# Altium PCB CM_PCB.PcbDoc (part 4 of 7) (continued)
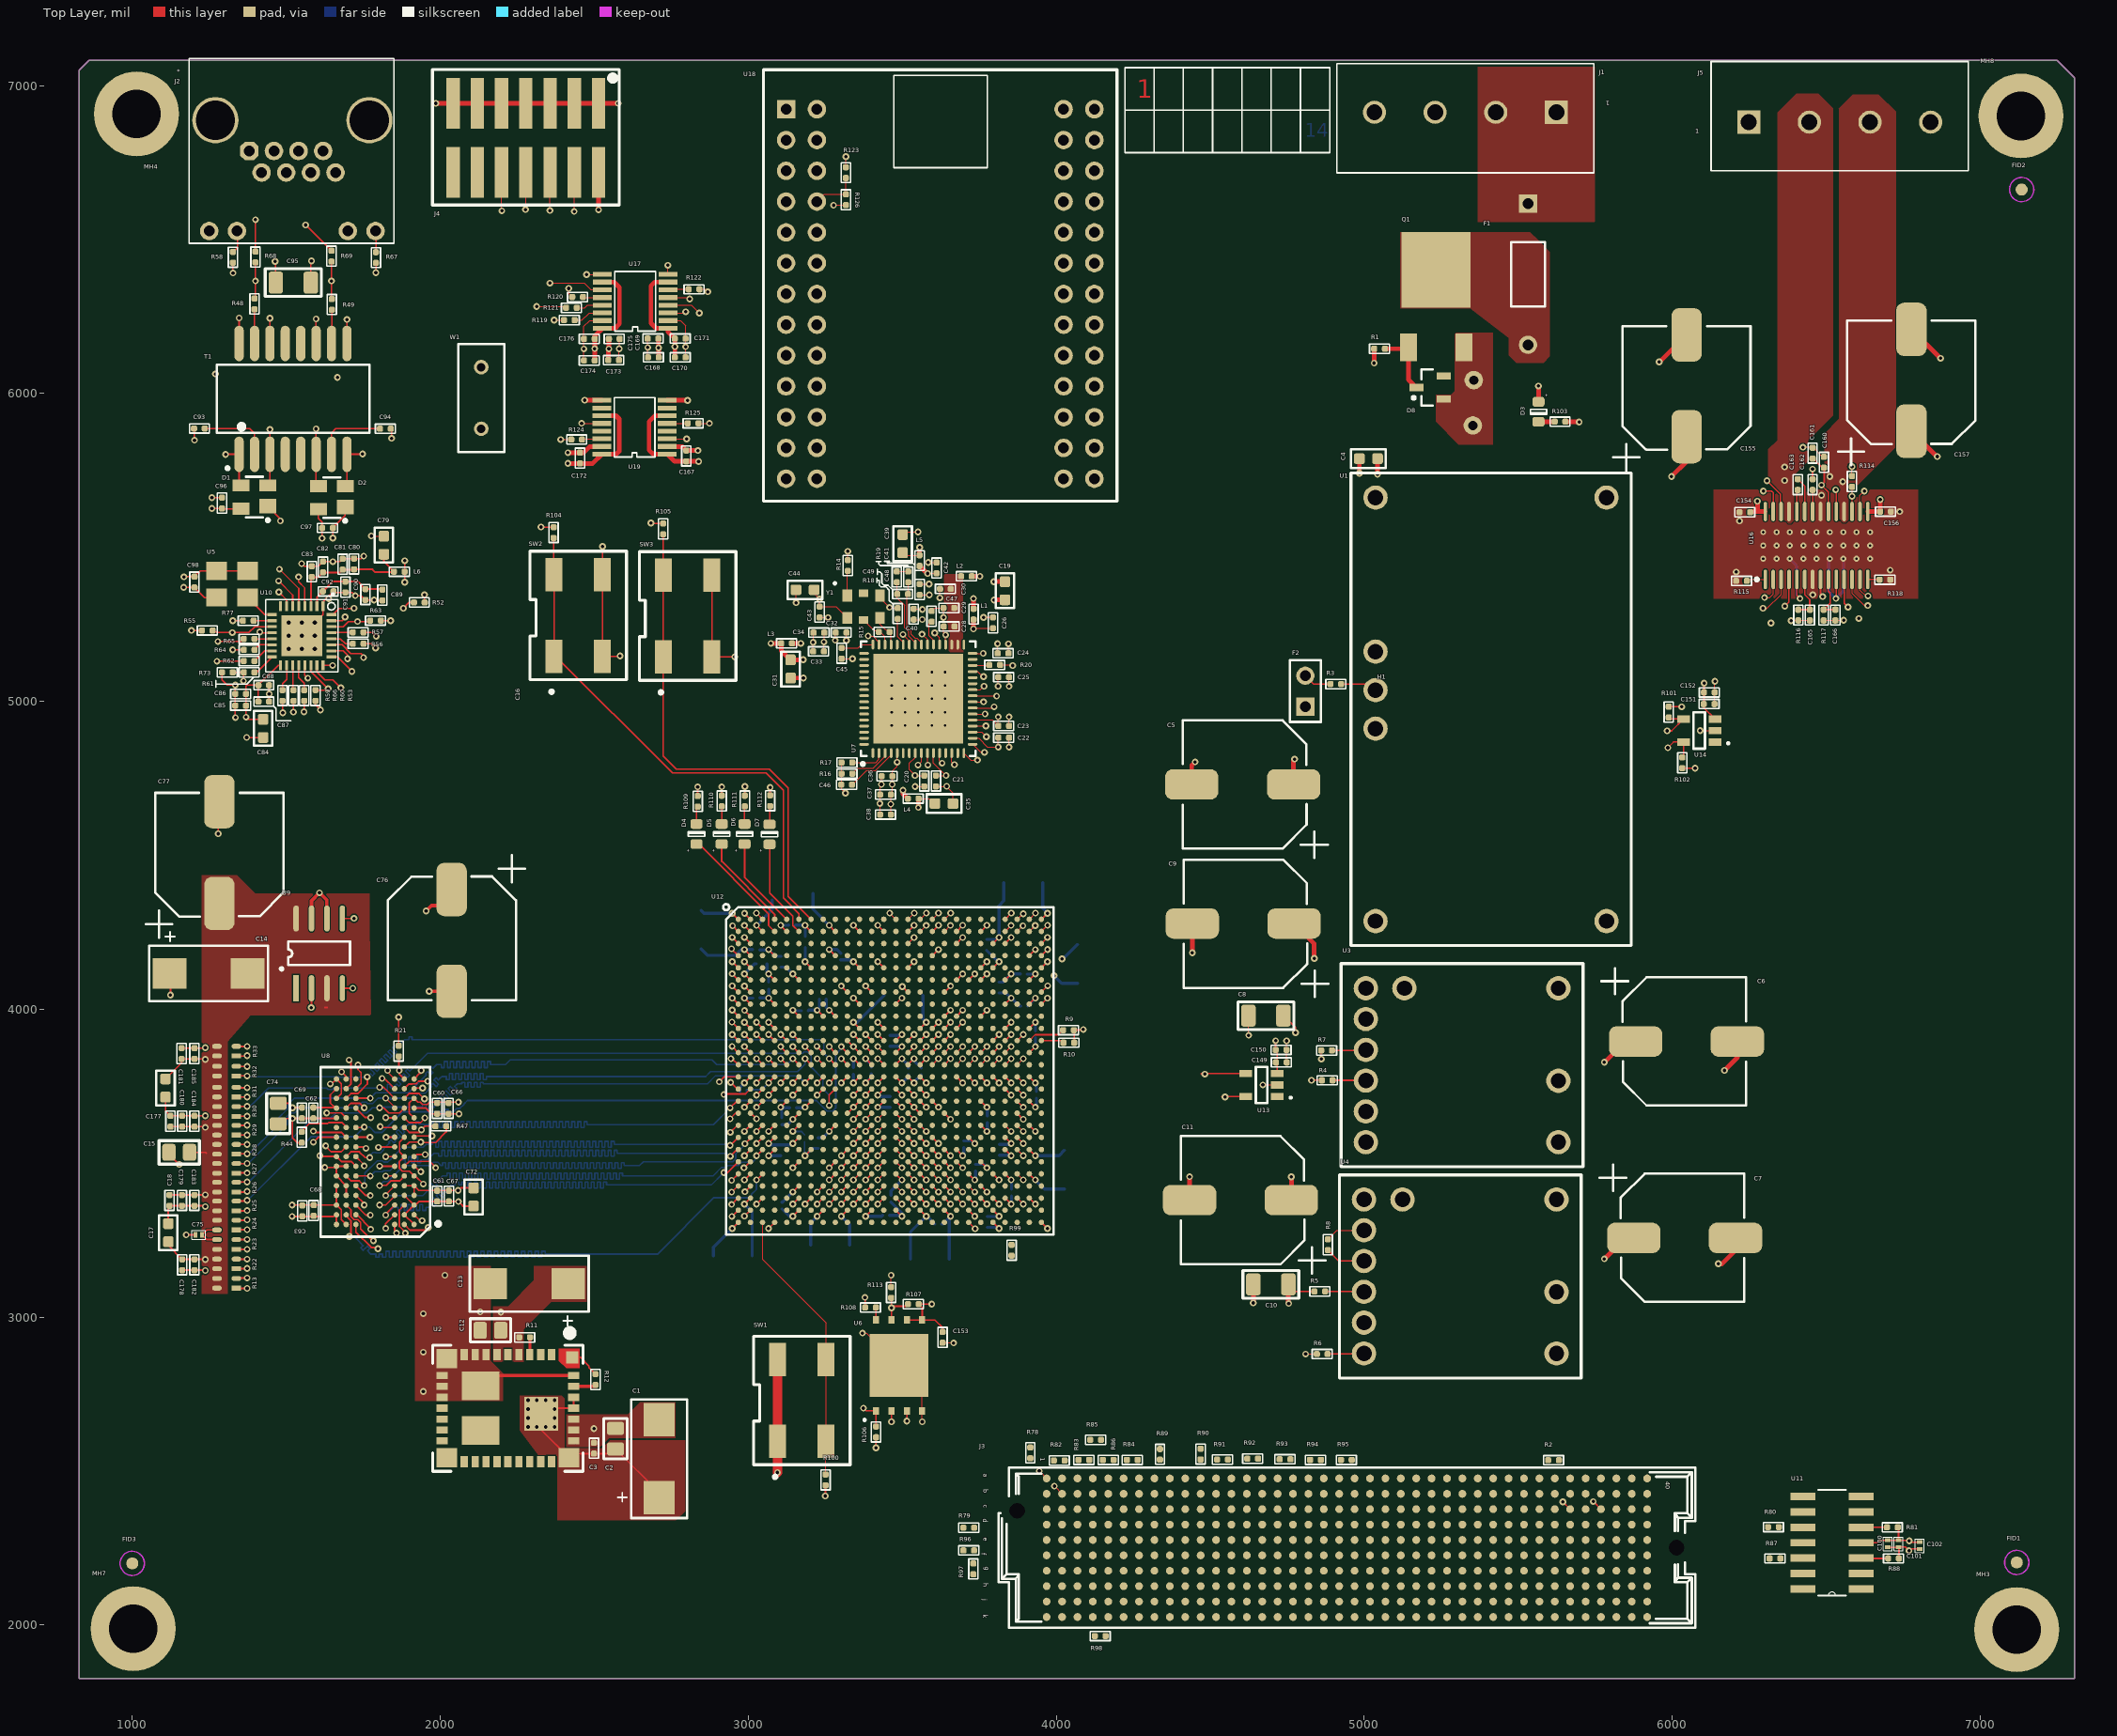
[diagram p0: Top Layer view]
## Nets (pads, with @x,y where several pads share a name; then routed paths per layer and width w, separated by ;. In a path a pad name is that pad's centre, name@x,y a point inside that pad or via, vN(x,y) a via of type N, cw(c..) or ccw(c..) an arc to the next point about the centre after c; other vN are vias at no path point) (continued)
DDR_DQ13: U8.A2 U12.AD1 | length 2540.8
  Top Layer w5.5: U8.A2@1883.49,3300.78 1902.27,3282 1952,3282 v2(1961,3291) ; v2(2946,3366) 2966.41,3386.41 U12.AD1@2967.82,3386.41
  HS2 w5.5: v2(1961,3291) 1975,3305 1980.5,3305 1991.5,3305 1991.5,3295.24 2002.5,3295.24 2002.5,3305 2002.5,3314.76 2013.5,3314.76 2013.5,3305 2013.5,3295.24 2024.5,3295.24 2024.5,3305 2024.5,3314.76 2035.5,3314.76 2035.5,3305 2035.5,3295.24 2046.5,3295.24 2046.5,3305 2046.5,3314.76 2057.5,3314.76 2057.5,3305 2057.5,3295.24 2068.5,3295.24 2068.5,3305 2068.5,3314.76 2079.5,3314.76 2079.5,3305 2079.5,3295.24 2090.5,3295.24 2090.5,3305 2090.5,3314.76 2101.5,3314.76 2101.5,3305 2101.5,3295.24 2112.5,3295.24 2112.5,3305 2112.5,3314.76 2123.5,3314.76 2123.5,3305 2123.5,3295.24 2134.5,3295.24 2134.5,3305 2134.5,3314.76 2145.5,3314.76 2145.5,3305 2145.5,3295.24 2156.5,3295.24 2156.5,3305 2156.5,3314.76 2167.5,3314.76 2167.5,3305 2167.5,3295.24 2178.5,3295.24 2178.5,3305 2178.5,3314.76 2189.5,3314.76 2189.5,3305 2189.5,3295.24 2200.5,3295.24 2200.5,3305 2200.5,3314.76 2211.5,3314.76 2211.5,3305 2211.5,3295.24 2222.5,3295.24 2222.5,3305 2222.5,3314.76 2233.5,3314.76 2233.5,3305 2233.5,3295.24 2244.5,3295.24 2244.5,3305 2244.5,3314.76 2255.5,3314.76 2255.5,3305 2255.5,3295.24 2266.5,3295.24 2266.5,3305 2266.5,3314.76 2277.5,3314.76 2277.5,3305 2277.5,3295.24 2288.5,3295.24 2288.5,3305 2288.5,3314.76 2299.5,3314.76 2299.5,3305 2299.5,3295.24 2310.5,3295.24 2310.5,3305 2310.5,3314.76 2321.5,3314.76 2321.5,3305 2321.5,3295.24 2332.5,3295.24 2332.5,3305 2332.5,3314.76 2343.5,3314.76 2343.5,3305 2343.5,3295.24 2354.5,3295.24 2354.5,3305 2354.5,3314.76 2365.5,3314.76 2365.5,3305 2365.5,3295.24 2376.5,3295.24 2376.5,3305 2376.5,3314.76 2387.5,3314.76 2387.5,3305 2387.5,3295.24 2398.5,3295.24 2398.5,3305 2398.5,3314.76 2409.5,3314.76 2409.5,3305 2409.5,3295.24 2420.5,3295.24 2420.5,3305 2420.5,3314.76 2431.5,3314.76 2431.5,3305 2431.5,3295.24 2442.5,3295.24 2442.5,3305 2442.5,3314.76 2453.5,3314.76 2453.5,3305 2453.5,3295.24 2464.5,3295.24 2464.5,3305 2464.5,3314.76 2475.5,3314.76 2475.5,3305 2475.5,3295.24 2486.5,3295.24 2486.5,3305 2486.5,3314.76 2497.5,3314.76 2497.5,3305 2497.5,3295.24 2508.5,3295.24 2508.5,3305 2508.5,3314.76 2519.5,3314.76 2519.5,3305 2519.5,3295.24 2530.5,3295.24 2530.5,3305 2530.5,3314.76 2541.5,3314.76 2541.5,3305 2541.5,3295.24 2552.5,3295.24 2552.5,3305 2552.5,3314.76 2563.5,3314.76 2563.5,3305 2563.5,3295.24 2574.5,3295.24 2574.5,3305 2574.5,3314.76 2585.5,3314.76 2585.5,3305 2585.5,3295.24 2596.5,3295.24 2596.5,3305 2596.5,3314.76 2607.5,3314.76 2607.5,3305 2607.5,3295.24 2618.5,3295.24 2618.5,3305 2618.5,3314.76 2629.5,3314.76 2629.5,3305 2629.5,3295.24 2640.5,3295.24 2640.5,3305 2640.5,3314.76 2651.5,3314.76 2651.5,3305 2651.5,3295.24 2662.5,3295.24 2662.5,3305 2662.5,3314.76 2673.5,3314.76 2673.5,3305 2673.5,3295.24 2684.5,3295.24 2684.5,3305 2684.5,3314.76 2695.5,3314.76 2695.5,3305 2695.5,3295.24 2706.5,3295.24 2706.5,3305 2706.5,3314.76 2717.5,3314.76 2717.5,3305 2717.5,3295.24 2728.5,3295.24 2728.5,3305 2728.5,3314.76 2739.5,3314.76 2739.5,3305 2739.5,3295.24 2750.5,3295.24 2750.5,3305 2750.5,3314.76 2761.5,3314.76 2761.5,3305 2761.5,3295.24 2772.5,3295.24 2772.5,3305 2772.5,3314.76 2783.5,3314.76 2783.5,3305 2885,3305 v2(2946,3366)
DDR_DQ14: U8.B8 U12.AB3 | length 2568.9
  Top Layer w4: v1(3026.87,3445.46) U12.AB3@3046.56,3465.15
  Top Layer w5.5: U8.B8@1694.51,3332.28 1694.51,3328.26 1710.4,3312.38 1710.12,3312.1 1710.12,3267.12 v2(1705,3262)
  Bottom Layer w5.5: v2(1705,3262) 1721.9,3262 1738.19,3244 1741.88,3239.92 1749.26,3231.76 1742.05,3225.25 1749.43,3217.09 1756.64,3223.61 1763.84,3230.12 1771.22,3221.97 1764.02,3215.45 1771.4,3207.29 1774.15,3204.25 1779.65,3204.25 1790.65,3204.25 1790.65,3194.54 1801.65,3194.54 1801.65,3204.25 1812.65,3204.25 1812.65,3194.54 1823.65,3194.54 1823.65,3204.25 1823.65,3213.96 1834.65,3213.96 1834.65,3204.25 1834.65,3194.54 1845.65,3194.54 1845.65,3204.25 1845.65,3213.96 1856.65,3213.96 1856.65,3204.25 1856.65,3194.54 1867.65,3194.54 1867.65,3204.25 1867.65,3213.96 1878.65,3213.96 1878.65,3204.25 1878.65,3194.54 1889.65,3194.54 1889.65,3204.25 1889.65,3213.96 1900.65,3213.96 1900.65,3204.25 1900.65,3194.54 1911.65,3194.54 1911.65,3204.25 1911.65,3213.96 1922.65,3213.96 1922.65,3204.25 1922.65,3194.54 1933.65,3194.54 1933.65,3204.25 1933.65,3213.96 1944.65,3213.96 1944.65,3204.25 1944.65,3194.54 1955.65,3194.54 1955.65,3204.25 1955.65,3213.96 1966.65,3213.96 1966.65,3204.25 1966.65,3194.54 1977.65,3194.54 1977.65,3204.25 1977.65,3213.96 1988.65,3213.96 1988.65,3204.25 1988.65,3194.54 1999.65,3194.54 1999.65,3204.25 1999.65,3213.96 2010.65,3213.96 2010.65,3204.25 2010.65,3194.54 2021.65,3194.54 2021.65,3204.25 2021.65,3213.96 2032.65,3213.96 2032.65,3204.25 2032.65,3194.54 2043.65,3194.54 2043.65,3204.25 2043.65,3213.96 2054.65,3213.96 2054.65,3204.25 2054.65,3194.54 2065.65,3194.54 2065.65,3204.25 2065.65,3213.96 2076.65,3213.96 2076.65,3204.25 2076.65,3194.54 2087.65,3194.54 2087.65,3204.25 2087.65,3213.96 2098.65,3213.96 2098.65,3204.25 2098.65,3194.54 2109.65,3194.54 2109.65,3204.25 2109.65,3213.96 2120.65,3213.96 2120.65,3204.25 2120.65,3194.54 2131.65,3194.54 2131.65,3204.25 2131.65,3213.96 2142.65,3213.96 2142.65,3204.25 2142.65,3194.54 2153.65,3194.54 2153.65,3204.25 2153.65,3213.96 2164.65,3213.96 2164.65,3204.25 2164.65,3194.54 2175.65,3194.54 2175.65,3204.25 2175.65,3213.96 2186.65,3213.96 2186.65,3204.25 2186.65,3194.54 2197.65,3194.54 2197.65,3204.25 2197.65,3213.96 2208.65,3213.96 2208.65,3204.25 2208.65,3194.54 2219.65,3194.54 2219.65,3204.25 2219.65,3213.96 2230.65,3213.96 2230.65,3204.25 2230.65,3194.54 2241.65,3194.54 2241.65,3204.25 2241.65,3213.96 2252.65,3213.96 2252.65,3204.25 2252.65,3194.54 2263.65,3194.54 2263.65,3204.25 2263.65,3213.96 2274.65,3213.96 2274.65,3204.25 2274.65,3194.54 2285.65,3194.54 2285.65,3204.25 2285.65,3213.96 2296.65,3213.96 2296.65,3204.25 2296.65,3194.54 2307.65,3194.54 2307.65,3204.25 2307.65,3213.96 2318.65,3213.96 2318.65,3204.25 2318.65,3194.54 2329.65,3194.54 2329.65,3204.25 2329.65,3213.96 2340.65,3213.96 2340.65,3204.25 2353,3204.25 2705.25,3204.25 2889,3388 3010.53,3388 3010.53,3398.78 3026.87,3415.13 v1(3026.87,3445.46)
DDR_DQ15: U8.A3 U12.AB1 | length 2540.4
  Top Layer w5.5: U8.A3@1851.99,3300.78 1851.99,3279.01 v2(1858,3273) ; v2(2946,3444) 2946.67,3444 U12.AB1@2967.82,3465.15
  HS2 w5: v2(1858,3273) 1862.42,3273 1869.71,3280.29 1873.24,3283.83 1866.45,3290.62 1873.53,3297.69 1880.32,3290.9 1887.39,3297.97 1880.6,3304.76 1887.67,3311.83 1894.46,3305.04 1901.25,3298.25 1908.32,3305.32 1901.53,3312.11 1894.74,3318.9 1901.81,3325.97 1908.6,3319.18 1915.39,3312.39 1922.46,3319.46 1915.67,3326.25 1908.88,3333.04 1915.95,3340.11 1922.74,3333.32 1929.81,3340.4 1933.92,3344.5 1938.92,3344.5 1948.92,3344.5 1948.92,3334.9 1958.92,3334.9 1958.92,3344.5 1958.92,3354.1 1968.92,3354.1 1968.92,3344.5 1968.92,3334.9 1978.92,3334.9 1978.92,3344.5 1978.92,3354.1 1988.92,3354.1 1988.92,3344.5 1988.92,3334.9 1998.92,3334.9 1998.92,3344.5 1998.92,3354.1 2008.92,3354.1 2008.92,3344.5 2008.92,3334.9 2018.92,3334.9 2018.92,3344.5 2018.92,3354.1 2028.92,3354.1 2028.92,3344.5 2028.92,3334.9 2038.92,3334.9 2038.92,3344.5 2038.92,3354.1 2048.92,3354.1 2048.92,3344.5 2048.92,3334.9 2058.92,3334.9 2058.92,3344.5 2058.92,3354.1 2068.92,3354.1 2068.92,3344.5 2068.92,3334.9 2078.92,3334.9 2078.92,3344.5 2078.92,3354.1 2088.92,3354.1 2088.92,3344.5 2088.92,3334.9 2098.92,3334.9 2098.92,3344.5 2098.92,3354.1 2108.92,3354.1 2108.92,3344.5 2108.92,3334.9 2118.92,3334.9 2118.92,3344.5 2118.92,3354.1 2128.92,3354.1 2128.92,3344.5 2128.92,3334.9 2138.92,3334.9 2138.92,3344.5 2138.92,3354.1 2148.92,3354.1 2148.92,3344.5 2148.92,3334.9 2158.92,3334.9 2158.92,3344.5 2158.92,3354.1 2168.92,3354.1 2168.92,3344.5 2168.92,3334.9 2178.92,3334.9 2178.92,3344.5 2178.92,3354.1 2188.92,3354.1 2188.92,3344.5 2188.92,3334.9 2198.92,3334.9 2198.92,3344.5 2198.92,3354.1 2208.92,3354.1 2208.92,3344.5 2208.92,3334.9 2218.92,3334.9 2218.92,3344.5 2218.92,3354.1 2228.92,3354.1 2228.92,3344.5 2228.92,3334.9 2238.92,3334.9 2238.92,3344.5 2238.92,3354.1 2248.92,3354.1 2248.92,3344.5 2248.92,3334.9 2258.92,3334.9 2258.92,3344.5 2258.92,3354.1 2268.92,3354.1 2268.92,3344.5 2268.92,3334.9 2278.92,3334.9 2278.92,3344.5 2278.92,3354.1 2288.92,3354.1 2288.92,3344.5 2288.92,3334.9 2298.92,3334.9 2298.92,3344.5 2298.92,3354.1 2308.92,3354.1 2308.92,3344.5 2308.92,3334.9 2318.92,3334.9 2318.92,3344.5 2318.92,3354.1 2328.92,3354.1 2328.92,3344.5 2328.92,3334.9 2338.92,3334.9 2338.92,3344.5 2338.92,3354.1 2348.92,3354.1 2348.92,3344.5 2348.92,3334.9 2358.92,3334.9 2358.92,3344.5 2358.92,3354.1 2368.92,3354.1 2368.92,3344.5 2368.92,3334.9 2378.92,3334.9 2378.92,3344.5 2378.92,3354.1 2388.92,3354.1 2388.92,3344.5 2388.92,3334.9 2398.92,3334.9 2398.92,3344.5 2398.92,3354.1 2408.92,3354.1 2408.92,3344.5 2408.92,3334.9 2418.92,3334.9 2418.92,3344.5 2418.92,3354.1 2428.92,3354.1 2428.92,3344.5 2428.92,3334.9 2438.92,3334.9 2438.92,3344.5 2438.92,3354.1 2448.92,3354.1 2448.92,3344.5 2448.92,3334.9 2458.92,3334.9 2458.92,3344.5 2458.92,3354.1 2468.92,3354.1 2468.92,3344.5 2468.92,3334.9 2478.92,3334.9 2478.92,3344.5 2478.92,3354.1 2488.92,3354.1 2488.92,3344.5 2511,3344.5 2848.5,3344.5 2888.22,3384.22 2993.22,3384.22 3007,3398 3006.5,3398.5 3006.5,3451.22 2994.75,3462.96 2980.25,3462.96 2961.29,3444 v2(2946,3444)
DDR_LDM: R13.2 U8.E7 U12.W3 | length 2443.9
  Top Layer w4: v1(3026.87,3563.57) U12.W3@3046.56,3583.26
  Top Layer w5.5: R13.2@1342.5,3127 v2(1373,3127) ; U8.E7@1726.01,3426.76 1757.77,3395 v2(1773,3395)
  HS2 w5.5: v2(1373,3127) 1401,3127 1669,3395 v2(1773,3395) 1785.25,3407.25 1785.25,3436.25 1796,3447 1796,3457.9 1813.85,3475.75 1900.75,3475.75 1914.75,3489.75 1955.15,3489.75 1989.4,3524 1994.9,3524 2005.9,3524 2005.9,3514 2016.9,3514 2016.9,3524 2016.9,3531.57 2027.9,3531.57 2027.9,3524 2027.9,3514 2038.9,3514 2038.9,3524 2038.9,3531.57 2049.9,3531.57 2049.9,3524 2049.9,3514 2060.9,3514 2060.9,3524 2060.9,3531.57 2071.9,3531.57 2071.9,3524 2071.9,3514 2082.9,3514 2082.9,3524 2082.9,3531.57 2093.9,3531.57 2093.9,3524 2093.9,3514 2104.9,3514 2104.9,3524 2104.9,3531.57 2115.9,3531.57 2115.9,3524 2115.9,3514 2126.9,3514 2126.9,3524 2126.9,3531.57 2137.9,3531.57 2137.9,3524 2137.9,3514 2148.9,3514 2148.9,3524 2148.9,3531.57 2159.9,3531.57 2159.9,3524 2159.9,3514 2170.9,3514 2170.9,3524 2170.9,3534 2181.9,3534 2181.9,3524 2181.9,3514 2192.9,3514 2192.9,3524 2192.9,3534 2203.9,3534 2203.9,3524 2203.9,3514 2214.9,3514 2214.9,3524 2214.9,3534 2225.9,3534 2225.9,3524 2225.9,3514 2236.9,3514 2236.9,3524 2236.9,3534 2247.9,3534 2247.9,3524 2247.9,3514 2258.9,3514 2258.9,3524 2258.9,3534 2269.9,3534 2269.9,3524 2269.9,3514 2280.9,3514 2280.9,3524 2314,3524 2908,3524 2925.95,3541.95 2931.94,3541.95 2933.65,3540.25 2948.35,3540.25 2950.06,3541.95 3005.25,3541.95 v1(3026.87,3563.57)
DDR_LDQS_N: U8.G3 U12.V1 | length 1268.8
  Top Layer w5.5: v2(1803,3490) 1803.24,3489.76 U8.G3@1851.99,3489.76 ; v2(2942,3600) 2964.63,3622.63 U12.V1@2967.82,3622.63
  HS1 w5.5: v2(1803,3490) 1964.9,3490 1981.9,3507 2765,3507 2858,3600 v2(2942,3600)
DDR_LDQS_P: U8.F3 U12.V3 | length 1320.6
  Top Layer w4: v1(3026.87,3602.94) U12.V3@3046.56,3622.63
  Top Layer w5.5: v2@1830,3458.26 U8.F3@1851.99,3458.26
  HS1 w5.5: v2(1823,3458) 1826.75,3454.25 2776.25,3454.25 2902.75,3580.75 2927.66,3580.75 2932.16,3576.25 2951.84,3576.25 2956.34,3580.75 3004.68,3580.75 v1(3026.87,3602.94)
DDR_ODT: R23.1 U8.K1 U12.P6 | length 2613.4
  Top Layer w4: v1(3144.98,3760.42) U12.P6@3164.67,3780.11
  Top Layer w5.5: U8.K1@1914.98,3584.24 1914.98,3588 v2(1973,3588)
  Top Layer w6: R23.1@1342,3220 v2(1373,3220)
  DIFF_SE1 w6: v2(1373,3220) 1399,3220 1501,3322 1501,3334.46 1511.54,3345 1524,3345 1525,3346 1526.46,3346 1537,3356.54 1537,3358 1600.65,3421.65 1600.65,3489 1600.9,3489 1620.65,3508.75 1645.65,3508.75 1734.9,3598 1759.46,3598 1764.21,3602.75 1780.35,3602.75 1783.85,3599.25 1812.15,3599.25 1815.65,3602.75 1908.25,3602.75 1923,3588 v2(1973,3588) 1977.9,3588 1982.14,3592.24 1990.63,3600.73 1997.7,3593.66 2006.18,3602.14 1999.11,3609.21 1992.04,3616.28 2000.53,3624.77 2007.6,3617.7 2014.67,3610.63 2023.15,3619.11 2016.08,3626.18 2009.01,3633.25 2017.5,3641.74 2024.57,3634.67 2033.05,3643.15 2038.25,3648.35 2038.25,3667.35 2049.15,3678.25 2068.25,3678.25 2072.49,3682.49 2080.98,3690.98 2088.05,3683.91 2096.53,3692.39 2089.46,3699.46 2082.39,3706.53 2090.88,3715.02 2097.95,3707.95 2105.02,3700.88 2113.5,3709.36 2106.43,3716.43 2114.92,3724.92 2120,3730 2126,3730 2138,3730 2138,3740 2150,3740 2150,3730 2150,3720 2162,3720 2162,3730 2162,3740 2174,3740 2174,3730 2174,3720 2186,3720 2186,3730 2186,3740 2198,3740 2198,3730 2198,3720 2210,3720 2210,3730 2210,3740 2222,3740 2222,3730 2222,3720 2234,3720 2234,3730 2234,3740 2246,3740 2246,3730 2246,3720 2258,3720 2258,3730 2258,3740 2270,3740 2270,3730 2270,3720 2282,3720 2282,3730 2282,3740 2294,3740 2294,3730 2294,3720 2306,3720 2306,3730 2310,3730 2894,3730 2905,3741 2928.46,3741 2928.71,3740.75 3130.21,3740.75 3144.98,3755.53 v1(3144.98,3760.42)
DDR_UDM: R13.1 U8.D3 U12.V4 | length 2676.6
  Top Layer w4: v1(3066.24,3602.94) U12.V4@3085.93,3622.63
  Top Layer w5.5: R13.1@1342,3093 v2(1373,3093) ; v2(1803,3364) 1823,3364 1851.99,3392.99 U8.D3@1851.99,3395.27 U8.D3@1846.27,3395.27
  HS1 w5.5: v2(1373,3093) 1400,3093 1650,3343 1759.9,3343 1765.65,3348.75 1787.75,3348.75 v2(1803,3364) 1808,3364 1813.5,3364 1824.5,3364 1824.5,3354.16 1835.5,3354.16 1835.5,3364 1835.5,3373.84 1846.5,3373.84 1846.5,3364 1846.5,3354.16 1857.5,3354.16 1857.5,3364 1857.5,3373.84 1868.5,3373.84 1868.5,3364 1868.5,3354.16 1879.5,3354.16 1879.5,3364 1879.5,3373.84 1890.5,3373.84 1890.5,3364 1890.5,3354.16 1901.5,3354.16 1901.5,3364 1901.5,3373.84 1912.5,3373.84 1912.5,3364 1912.5,3354.16 1923.5,3354.16 1923.5,3364 1923.5,3373.84 1934.5,3373.84 1934.5,3364 1934.5,3354.16 1945.5,3354.16 1945.5,3364 1945.5,3373.84 1956.5,3373.84 1956.5,3364 1956.5,3354.16 1967.5,3354.16 1967.5,3364 1967.5,3373.84 1978.5,3373.84 1978.5,3364 1978.5,3354.16 1989.5,3354.16 1989.5,3364 1989.5,3373.84 2000.5,3373.84 2000.5,3364 2011.5,3364 2012.5,3364 2016.39,3367.89 2024.17,3375.67 2031.13,3368.71 2038.91,3376.49 2031.95,3383.45 2039.72,3391.22 2041.25,3392.75 2046.75,3392.75 2057.75,3392.75 2068.75,3392.75 2068.75,3389.99 2079.75,3389.99 2079.75,3392.75 2079.75,3402.59 2090.75,3402.59 2090.75,3392.75 2090.75,3382.91 2101.75,3382.91 2101.75,3392.75 2101.75,3402.59 2112.75,3402.59 2112.75,3392.75 2112.75,3382.91 2123.75,3382.91 2123.75,3392.75 2123.75,3402.59 2134.75,3402.59 2134.75,3392.75 2134.75,3382.91 2145.75,3382.91 2145.75,3392.75 2145.75,3402.59 2156.75,3402.59 2156.75,3392.75 2156.75,3382.91 2167.75,3382.91 2167.75,3392.75 2167.75,3402.59 2178.75,3402.59 2178.75,3392.75 2178.75,3382.91 2189.75,3382.91 2189.75,3392.75 2252,3392.75 2934.15,3392.75 2938.65,3388.25 3003.25,3388.25 3083.99,3468.99 3083.99,3578.92 3066.24,3596.67 v1(3066.24,3602.94)
DDR_UDQS_N: U8.B7 U12.AC1 | length 2544.4
  Top Layer w5.5: U8.B7@1726.01,3331.99 U8.B7@1726.01,3332.28 1730.02,3332.28 1774,3288.3 v2(1774,3285) ; v2(2946,3406) 2965.78,3425.78 U12.AC1@2967.82,3425.78
  HS2 w5.5: v2(1774,3285) 1802.25,3313.25 1834.25,3313.25 1892,3371 1897.5,3371 1908.5,3371 1908.5,3363.06 1919.5,3363.06 1919.5,3371 1919.5,3378.94 1930.5,3378.94 1930.5,3371 1976,3371 2029.9,3371 2051.65,3392.75 2064.85,3392.75 2066.1,3394 2081,3394 2086.5,3394 2086.5,3403.76 2097.5,3403.76 2097.5,3394 2097.5,3384.24 2108.5,3384.24 2108.5,3394 2108.5,3403.76 2119.5,3403.76 2119.5,3394 2119.5,3384.24 2130.5,3384.24 2130.5,3394 2130.5,3403.76 2141.5,3403.76 2141.5,3394 2141.5,3384.24 2152.5,3384.24 2152.5,3394 2152.5,3403.76 2163.5,3403.76 2163.5,3394 2163.5,3384.24 2174.5,3384.24 2174.5,3394 2174.5,3403.76 2185.5,3403.76 2185.5,3394 2185.5,3384.24 2196.5,3384.24 2196.5,3394 2196.5,3403.76 2207.5,3403.76 2207.5,3394 2207.5,3384.24 2218.5,3384.24 2218.5,3394 2218.5,3403.76 2229.5,3403.76 2229.5,3394 2229.5,3384.24 2240.5,3384.24 2240.5,3394 2240.5,3403.76 2251.5,3403.76 2251.5,3394 2251.5,3384.24 2262.5,3384.24 2262.5,3394 2262.5,3403.76 2273.5,3403.76 2273.5,3394 2273.5,3384.24 2284.5,3384.24 2284.5,3394 2284.5,3403.76 2295.5,3403.76 2295.5,3394 2295.5,3384.24 2306.5,3384.24 2306.5,3394 2306.5,3403.76 2317.5,3403.76 2317.5,3394 2317.5,3384.24 2328.5,3384.24 2328.5,3394 2328.5,3403.76 2339.5,3403.76 2339.5,3394 2339.5,3384.24 2350.5,3384.24 2350.5,3394 2350.5,3403.76 2361.5,3403.76 2361.5,3394 2361.5,3384.24 2372.5,3384.24 2372.5,3394 2372.5,3403.76 2383.5,3403.76 2383.5,3394 2383.5,3384.24 2394.5,3384.24 2394.5,3394 2394.5,3403.76 2405.5,3403.76 2405.5,3394 2405.5,3384.24 2416.5,3384.24 2416.5,3394 2416.5,3403.76 2427.5,3403.76 2427.5,3394 2427.5,3384.24 2438.5,3384.24 2438.5,3394 2438.5,3403.76 2449.5,3403.76 2449.5,3394 2449.5,3384.24 2460.5,3384.24 2460.5,3394 2460.5,3403.76 2471.5,3403.76 2471.5,3394 2471.5,3384.24 2482.5,3384.24 2482.5,3394 2482.5,3403.76 2493.5,3403.76 2493.5,3394 2493.5,3384.24 2504.5,3384.24 2504.5,3394 2504.5,3403.76 2515.5,3403.76 2515.5,3394 2515.5,3384.24 2526.5,3384.24 2526.5,3394 2526.5,3403.76 2537.5,3403.76 2537.5,3394 2537.5,3384.24 2548.5,3384.24 2548.5,3394 2548.5,3403.76 2559.5,3403.76 2559.5,3394 2559.5,3384.24 2570.5,3384.24 2570.5,3394 2570.5,3403.76 2581.5,3403.76 2581.5,3394 2581.5,3384.24 2592.5,3384.24 2592.5,3394 2592.5,3403.76 2603.5,3403.76 2603.5,3394 2603.5,3384.24 2614.5,3384.24 2614.5,3394 2614.5,3403.76 2625.5,3403.76 2625.5,3394 2625.5,3384.24 2636.5,3384.24 2636.5,3394 2636.5,3403.76 2647.5,3403.76 2647.5,3394 2647.5,3384.24 2658.5,3384.24 2658.5,3394 2658.5,3403.76 2669.5,3403.76 2669.5,3394 2669.5,3384.24 2680.5,3384.24 2680.5,3394 2680.5,3403.76 2691.5,3403.76 2691.5,3394 2691.5,3384.24 2702.5,3384.24 2702.5,3394 2702.5,3403.76 2713.5,3403.76 2713.5,3394 2713.5,3384.24 2724.5,3384.24 2724.5,3394 2724.5,3403.76 2735.5,3403.76 2735.5,3394 2735.5,3384.24 2746.5,3384.24 2746.5,3394 2746.5,3403.76 2757.5,3403.76 2757.5,3394 2780,3394 2934,3394 v2(2946,3406)
DDR_UDQS_P: U8.C7 U12.AC2 | length 2543.4
  Top Layer w5.5: U8.C7@1726.24,3364 U8.C7@1726.01,3363.77 1758.78,3331 v2(1773,3331) ; v2(2989,3407) 3007.19,3425.19 U12.AC2@3007.19,3425.78
  HS2 w5.5: v2(1773,3331) 1788.25,3346.25 1813.15,3346.25 1815.65,3348.75 1826.75,3348.75 1884,3406 2027.9,3406 2050.65,3428.75 2065.35,3428.75 2070.1,3424 2078,3424 2083.5,3424 2083.5,3433.92 2094.5,3433.92 2094.5,3424 2094.5,3414.08 2105.5,3414.08 2105.5,3424 2105.5,3433.92 2116.5,3433.92 2116.5,3424 2116.5,3414.08 2127.5,3414.08 2127.5,3424 2127.5,3433.92 2138.5,3433.92 2138.5,3424 2138.5,3414.08 2149.5,3414.08 2149.5,3424 2149.5,3433.92 2160.5,3433.92 2160.5,3424 2160.5,3414.08 2171.5,3414.08 2171.5,3424 2171.5,3433.92 2182.5,3433.92 2182.5,3424 2182.5,3414.08 2193.5,3414.08 2193.5,3424 2193.5,3433.92 2204.5,3433.92 2204.5,3424 2204.5,3414.08 2215.5,3414.08 2215.5,3424 2215.5,3433.92 2226.5,3433.92 2226.5,3424 2226.5,3414.08 2237.5,3414.08 2237.5,3424 2237.5,3433.92 2248.5,3433.92 2248.5,3424 2248.5,3414.08 2259.5,3414.08 2259.5,3424 2259.5,3433.92 2270.5,3433.92 2270.5,3424 2270.5,3414.08 2281.5,3414.08 2281.5,3424 2281.5,3433.92 2292.5,3433.92 2292.5,3424 2292.5,3414.08 2303.5,3414.08 2303.5,3424 2303.5,3433.92 2314.5,3433.92 2314.5,3424 2314.5,3414.08 2325.5,3414.08 2325.5,3424 2325.5,3433.92 2336.5,3433.92 2336.5,3424 2336.5,3414.08 2347.5,3414.08 2347.5,3424 2347.5,3433.92 2358.5,3433.92 2358.5,3424 2358.5,3414.08 2369.5,3414.08 2369.5,3424 2369.5,3433.92 2380.5,3433.92 2380.5,3424 2380.5,3414.08 2391.5,3414.08 2391.5,3424 2391.5,3433.92 2402.5,3433.92 2402.5,3424 2402.5,3414.08 2413.5,3414.08 2413.5,3424 2413.5,3433.92 2424.5,3433.92 2424.5,3424 2424.5,3414.08 2435.5,3414.08 2435.5,3424 2435.5,3433.92 2446.5,3433.92 2446.5,3424 2446.5,3414.08 2457.5,3414.08 2457.5,3424 2457.5,3433.92 2468.5,3433.92 2468.5,3424 2468.5,3414.08 2479.5,3414.08 2479.5,3424 2479.5,3433.92 2490.5,3433.92 2490.5,3424 2490.5,3414.08 2501.5,3414.08 2501.5,3424 2501.5,3433.92 2512.5,3433.92 2512.5,3424 2512.5,3414.08 2523.5,3414.08 2523.5,3424 2523.5,3433.92 2534.5,3433.92 2534.5,3424 2534.5,3414.08 2545.5,3414.08 2545.5,3424 2545.5,3433.92 2556.5,3433.92 2556.5,3424 2556.5,3414.08 2567.5,3414.08 2567.5,3424 2567.5,3433.92 2578.5,3433.92 2578.5,3424 2578.5,3414.08 2589.5,3414.08 2589.5,3424 2589.5,3433.92 2600.5,3433.92 2600.5,3424 2600.5,3414.08 2611.5,3414.08 2611.5,3424 2611.5,3433.92 2622.5,3433.92 2622.5,3424 2622.5,3414.08 2633.5,3414.08 2633.5,3424 2633.5,3433.92 2644.5,3433.92 2644.5,3424 2644.5,3414.08 2655.5,3414.08 2655.5,3424 2655.5,3433.92 2666.5,3433.92 2666.5,3424 2666.5,3414.08 2677.5,3414.08 2677.5,3424 2677.5,3433.92 2688.5,3433.92 2688.5,3424 2688.5,3414.08 2699.5,3414.08 2699.5,3424 2699.5,3433.92 2710.5,3433.92 2710.5,3424 2710.5,3414.08 2721.5,3414.08 2721.5,3424 2721.5,3433.92 2732.5,3433.92 2732.5,3424 2732.5,3414.08 2743.5,3414.08 2743.5,3424 2753,3424 2972,3424 v2(2989,3407)
DEBUG_LED0: D4.A U12.B4 | length 393.5
  Top Layer w5.5: D4.A@2832,4536.52 2839.48,4536.52 3066,4310 3066,4272.48 U12.B4@3085.93,4252.55
DEBUG_LED1: D5.A U12.A4 | length 315.8
  Top Layer w5.5: D5.A@2914,4536.52 2914,4480 3085.93,4308.07 U12.A4@3085.93,4291.92
DEBUG_LED2: D6.A U12.A5 | length 301.5
  Top Layer w5.5: D6.A@2988,4536.52 2988,4429.22 U12.A5@3125.3,4291.92
DEBUG_LED3: D7.A U12.B6 | length 323.2
  Top Layer w5.5: D7.A@3070,4536.52 3070,4377 3145,4302 3145,4272.22 U12.B6@3164.67,4252.55
DRIVER_DIR: U12.C26 U16.3 | length 3127
  Top Layer w3: v1(6295,5302) 6308,5302 6353.84,5347.84 U16.3@6353.84,5395.76
  Top Layer w5: U12.C26@3952.07,4213.18 v1(3971.89,4233)
  HS2 w3: v1(3971.89,4233) 4055,4316.11 4055,4670 4687,5302 v1(6295,5302)
DRIVER_ENABLE#: U12.A25 U16.26 | length 3321.1
  Top Layer w5: U12.A25@3912.7,4291.92 v1(3932.78,4312) ; v1(6308,5716) 6352,5672 6352,5618.08 U16.26@6353.84,5616.24
  HS1 w5: v1(3932.78,4312) v1@3941,4312
  HS2 w3: v1(3932.78,4312) 3932.78,4391.78 3976,4435 3976,4712 4658,5394 5811,5394 6133,5716 v1(6308,5716)
DRIVER_HOME: U12.B26 U16.2 | length 3087.3
  Top Layer w3: v1(6300,5337) 6316,5337 6328.25,5349.25 U16.2@6328.25,5395.76
  Top Layer w5: U12.B26@3952.07,4252.55 v1(3972,4272.48)
  HS1 w5: v1(3972,4272.48) v1@3972,4274
  HS2 w3: v1(3972,4272.48) 4025,4325.48 4025,4682 4680,5337 v1(6300,5337)
DRIVER_RESET#: R114.2 U12.B23 U16.17 | length 3822.6
  Top Layer w3: R114.2@6584,5696.5 6584.16,5696.34 v1(6584.16,5666) U16.17@6584.16,5616.24
  Top Layer w5: U12.B23@3833.96,4252.55 v1(3853.41,4272)
  HS1 w5: v1@6584,5666 v1(6584.16,5666)
  HS2 w3: v1(3853.41,4272) 3873,4291.59 3873,4380 3936,4443 3936,4742 4629,5435 5795.9,5435 6199.9,5839 6378,5839 6413,5804 6508,5804 6584.16,5727.84 v1(6584.16,5666)
DRIVER_SLEEP#: U12.B25 U16.27 | length 3285.4
  Top Layer w5: U12.B25@3912.7,4252.55 v1(3932,4271.85) ; v1(6296,5683) 6322.37,5683 6328.25,5677.12 U16.27@6328.25,5616.24
  HS1 w5: v1(3932,4271.85) v1@3932,4273
  HS2 w3: v1(3932,4271.85) 3952,4291.85 3952,4373 3999,4420 3999,4698 4666,5365 5810,5365 6131,5686 6293,5686 v1(6296,5683)
DRIVER_SR#: U12.A23 U16.16 | length 3854.3
  Top Layer w3: U16.16@6609.75,5616.24 6609.75,5668.75 v1(6624,5683)
  Top Layer w5: U12.A23@3833.96,4291.92 v1(3854.04,4312)
  HS2 w3: v1(3854.04,4312) 3854.04,4378.04 3917,4441 3917,4753 4618,5454 5779,5454 6182,5857 6535,5857 6624,5768 v1(6624,5683)
DRIVER_STEP: U12.B24 U16.19 | length 3703.5
  Top Layer w5: U12.B24@3873.33,4252.55 v1(3891.78,4271) ; U16.19@6532.98,5616.24 v1@6532.98,5687
  HS2 w3: v1(3891.78,4271) 3913,4292.22 3913,4400 3955,4442 3955,4725 4646,5416 5805,5416 6210,5821 6360,5821 6393,5788 6500,5788 6531,5757 v1(6531,5687)
DRIVER_USM0: U12.E26 U16.13 | length 3579.9
  Top Layer w3: U16.13@6609.75,5395.76 6609.75,5361.25 6629,5342 v1(6636,5342)
  Top Layer w5: U12.E26@3952.07,4134.44 v1(3971.63,4154)
  HS2 w3: v1(3971.63,4154) 4110,4292.37 4110,4631 4716,5237 5908,5237 5960,5185 6587,5185 6663,5261 6663,5315 v1(6636,5342)
DRIVER_USM1: U12.D26 U16.12 | length 3543.1
  Top Layer w3: U16.12@6584.16,5395.76 6584.16,5350.84 6624,5311 v1(6635,5311)
  Top Layer w5: U12.D26@3952.07,4173.81 v1(3972,4193.74)
  HS2 w3: v1(3972,4193.74) 4084,4305.74 4084,4652 4700,5268 5911,5268 5970,5209 6576,5209 6635,5268 v1(6635,5311)
ETH_TCOM0: C94.2 T1.7 | length 232
  Top Layer w4: T1.7@1646.94,5802.3 1646.94,5870.94 1661,5885 C94.2@1804.5,5885
ETH_TCOM1: C93.2 T1.2 | length 236.4
  Top Layer w4: C93.2@1235.5,5886 1382,5886 1396.94,5871.06 T1.2@1396.94,5802.3
FLASH_CLK: R107.1 R113.2 U6.6 U12.AD22 | length 682.2
  Top Layer w4: U12.AD22@3794.59,3386.41 v1(3814.28,3366.72)
  Top Layer w5: U6.6@3465,2990.64 v1(3465,3030) v1@3465,3035 ; R113.2@3465,3061.5 v1@3465,3035 ; R107.1@3518.5,3042 3511.5,3035 v1@3465,3035
  DIFF_SE1 w5: v1(3465,3030) 3715,3280 3715,3345 3717,3347 3795,3347 3814.28,3366.28 v1(3814.28,3366.72)
FLASH_CSO#: R106.1 U6.1 U12.AF4 | length 834.9
  Top Layer w5: v1(3066,3287.74) U12.AF4@3085.93,3307.67 ; v1(3374,2704) 3382.64,2695.36 U6.1@3415,2695.36 R106.1@3415,2644.5
  DIFF_SE1 w5: v1(3066,3287.74) 3066,3012 v1(3374,2704)
FLASH_MISO: R108.1 U12.AD20 | length 606.3
  Top Layer w4: U12.AD20@3715.85,3386.41 v1(3735.54,3366.72)
  Top Layer w5: v1(3379,3064) 3379.5,3063.5 R108.1@3379.5,3031
  DIFF_SE1 w5: v1(3379,3064) 3433,3064 3677,3308 3677,3386 3679,3388 3714.26,3388 v1(3735.54,3366.72)
FLASH_MOSI: U6.2 U12.AF20 | length 804.1
  Top Layer w5: v1(3465,2660) U6.2@3465,2695.36 ; U12.AF20@3715.85,3307.67 v1(3736.52,3287)
  DIFF_SE1 w5: v1(3465,2660) 3736.52,2931.52 v1(3736.52,3287)
FMC_GA0: J3.c34 U12.N25
FMC_GA1: J3.d35 U12.N26
FMC_SCL: J3.c30 R9.1 U12.L25 | length 123.8
  Top Layer w5: U12.L25@3912.7,3898.22 3931.48,3917 4007.5,3917 R9.1@4022.5,3932
FMC_SDA: J3.c31 R10.1 U12.L26 | length 74.4
  Top Layer w5: U12.L26@3952.07,3898.22 4016.28,3898.22 R10.1@4023.5,3891
FMC_TDI: J3.d30 U12.A24 W1.1 | length 6770.6
  Top Layer w5: U12.A24@3873.33,4291.92 3891.41,4310 v1(3893,4310)
  DIFF_SE2 w3: W1.1@2133,5885 2261,6013 2261,6274 2309,6322 2356,6322 2407,6373 2420,6373 2437,6356 2437,6287 2427,6277 2427,5960 2353,5886 2353,5777 2813,5317 2813,4841 2851,4803 3107,4803 3186,4724 3186,4438.1 3251,4373.1 3838.9,4373.1 3854.25,4357.75 3893,4319 v1(3893,4310) 3892.75,4310 3874,4291.25 4034.75,4291.25 4843,3483 4843,2818 5091,2570 5328,2570 5420,2478 5420,2327
FMC_TDO: J3.d31 J4.B04 U17.11 W1.2 | length 7178.6
  Top Layer w3: v1(2277,6597) 2278,6598 J4.B04@2278,6717.8 ; v1(2356,6358) 2467,6358 2488.5,6336.5 U17.11@2526.7,6336.5
  DIFF_SE1 w3: W1.2@2133,6085 2133,6180 2201,6248 2329,6248 2356,6275 v1(2356,6358) 2277,6437 v1(2277,6597)
  DIFF_SE2 w3: v1(2356,6358) 2382,6384 2433,6384 2444,6373 2444,5953 2371,5880 2371,5782 2830,5323 2830,4849 2863,4816 3124,4816 3198,4742 3198,4456 3269,4385 3970,4385 4868,3487 4868,2830 5107,2591 5345,2591 5469,2467 5469,2327